# KiCad board poly_kb_molecule_7x5_wave_left.kicad_pcb (continued)
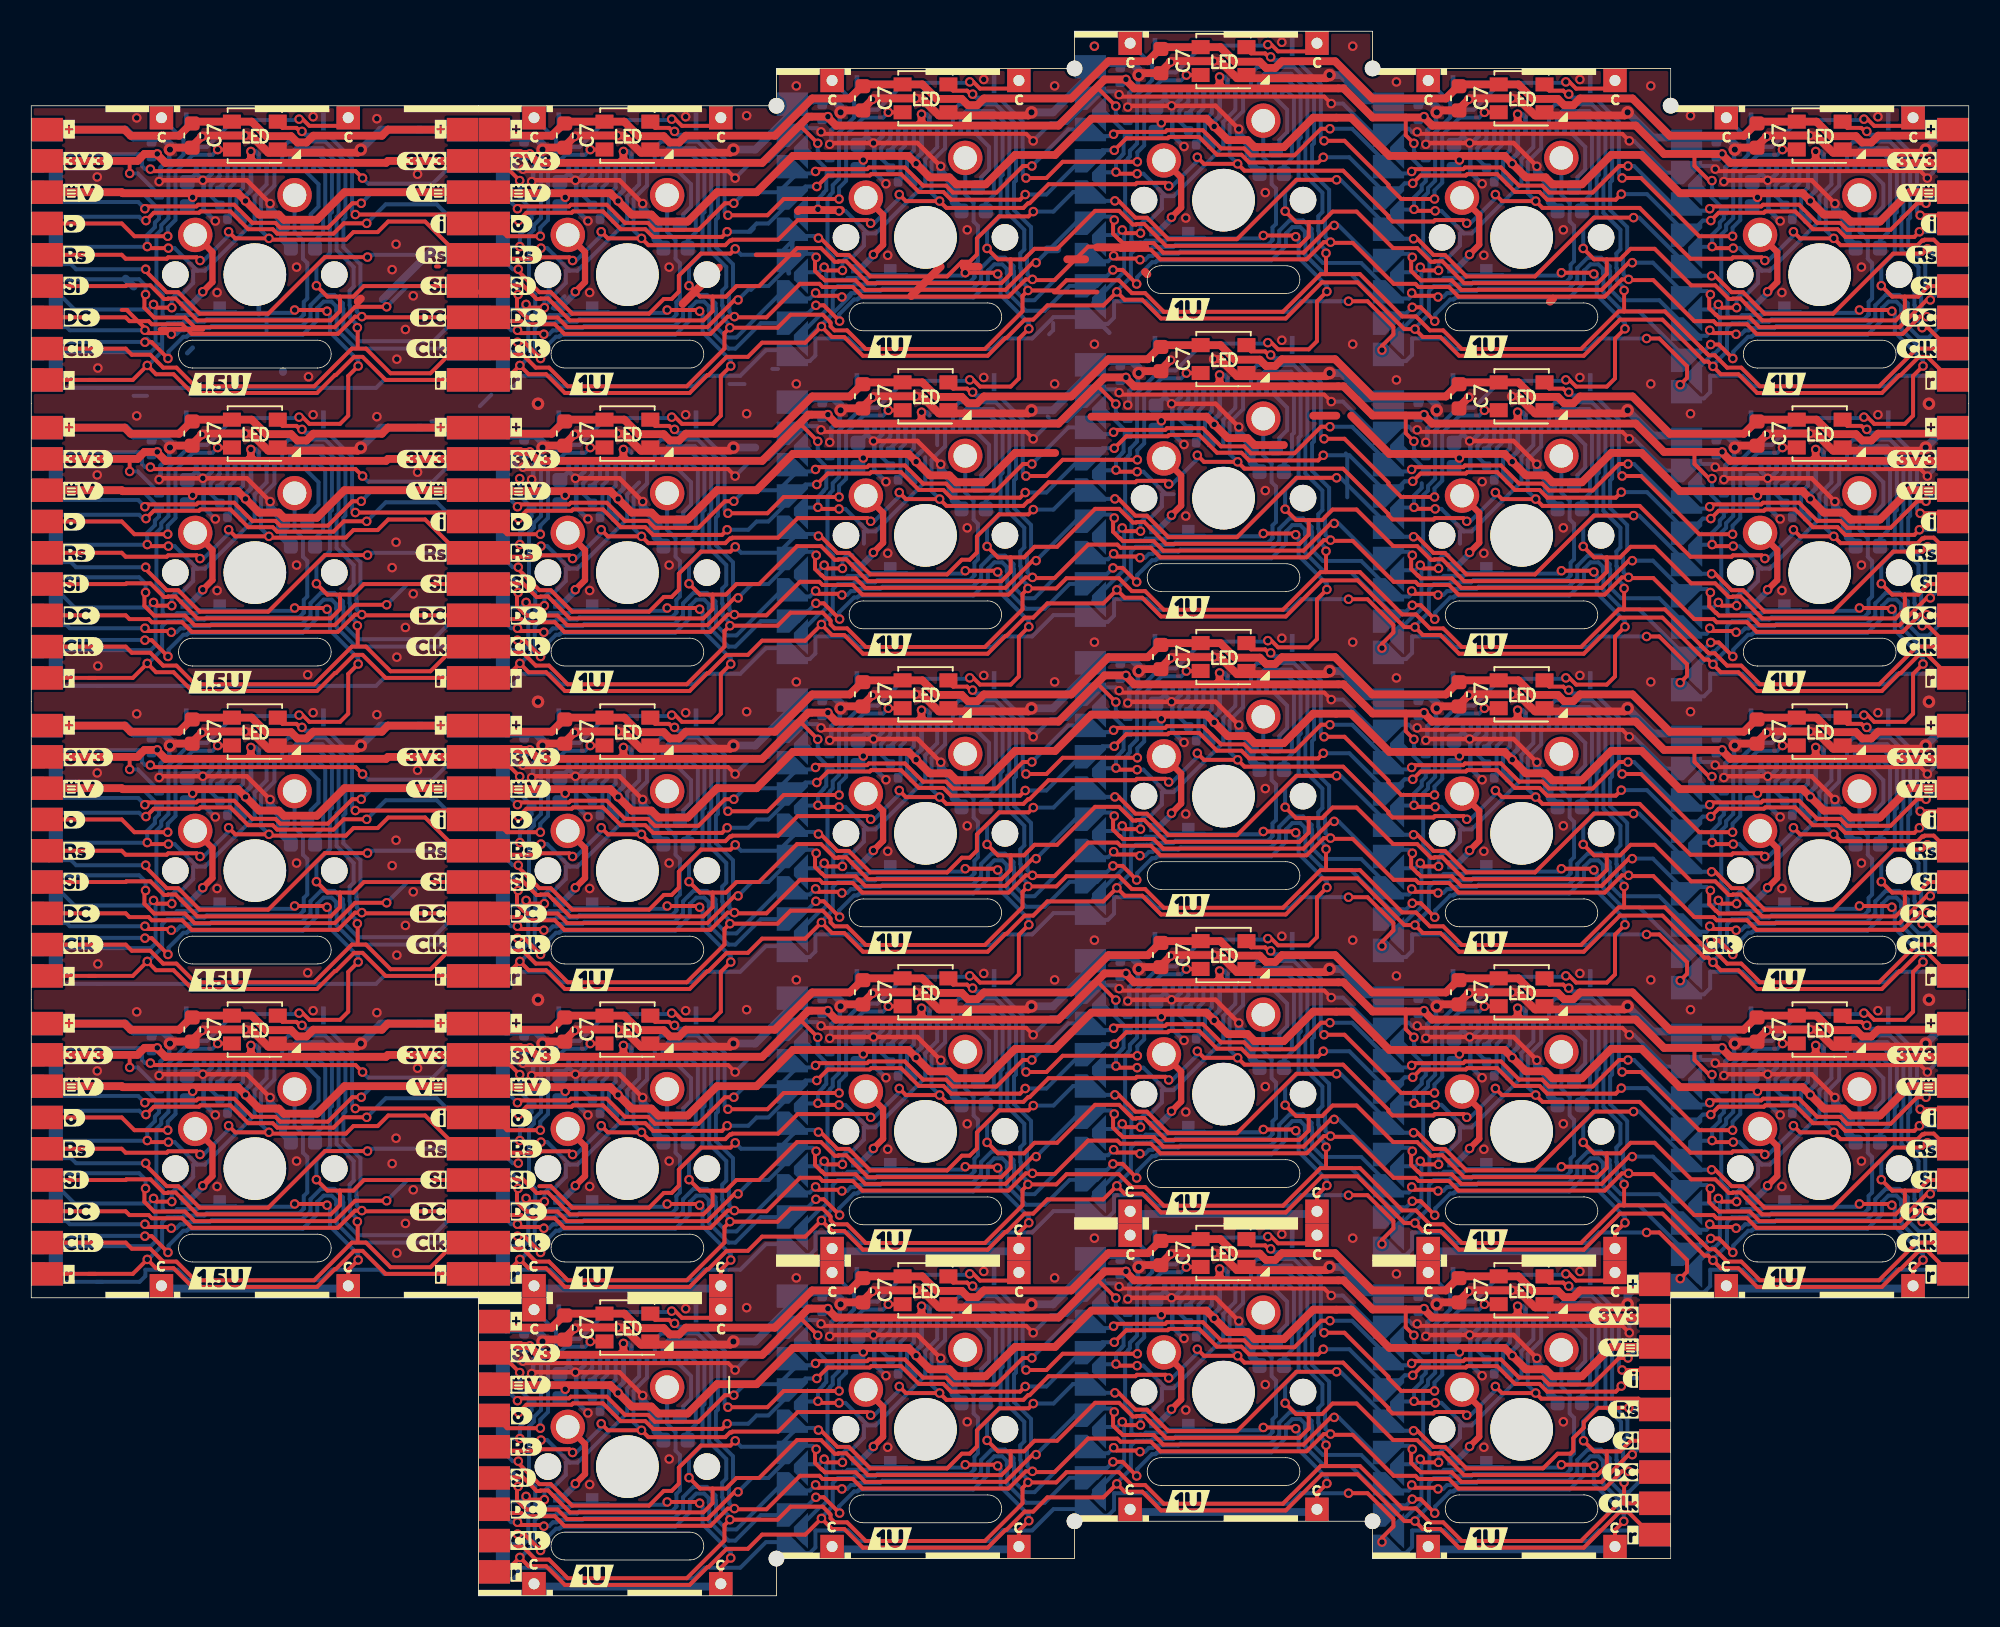
[diagram p0: board, top side]
## Routing (per net, layer and track width the routed paths; a pad name or vN(x,y) marks a point on that pad's centre or on a via; arc(x,y) is an arc through that point) (continued)
/Keyboard/sheet605ED2EB/SDIN: length 1002.7
  Top w0.254: J4#8.6 21.26,26.58 20.58,25.9 19.73,25.9 ; 43.54,64 43.54,63.07 42.95,62.48 34.42,62.48 33.38,63.53 33.38,63.54 33.03,63.88 32.55,63.88 32.52,63.84 32.3,63.84 31.42,64.72 29.89,64.72 29.84,64.67 ; 43.54,64 42.74,64 v1(42.04,64.7) ; 43.54,64 44.4,64 45.07,64.67 46.51,64.67 48.94,67.1 50.47,67.1 51.35,66.23 51.57,66.23 51.6,66.26 52.08,66.26 52.43,65.92 52.43,65.91 53.47,64.86 62,64.86 62.59,65.45 62.59,66.38 ; J4#7.6 21.26,45.63 20.58,44.95 19.73,44.95 ; 29.84,26.58 29.89,26.62 31.42,26.62 32.3,25.74 32.52,25.74 32.55,25.78 33.03,25.78 33.38,25.44 33.38,25.43 34.42,24.38 42.95,24.38 43.54,24.97 43.54,25.9 ; 100.69,9.23 99.89,9.23 99.19,9.93 ; 100.69,9.23 100.69,8.3 100.1,7.71 91.57,7.71 90.53,8.76 90.53,8.77 90.18,9.11 89.7,9.11 89.67,9.08 89.45,9.08 88.57,9.95 87.04,9.95 84.7,12.29 83.17,12.29 82.5,11.61 81.64,11.61 ; 100.69,9.23 101.55,9.23 102.22,9.91 J4#5.6 ; 81.64,11.61 80.84,11.61 v1(80.14,12.31) ; 81.64,11.61 81.64,10.68 81.05,10.09 72.52,10.09 71.48,11.14 71.48,11.15 71.13,11.49 70.65,11.49 70.62,11.46 70.4,11.46 69.52,12.33 67.99,12.33 65.56,9.91 64.12,9.91 63.45,9.23 62.59,9.23 ; 43.54,44.95 44.4,44.95 45.07,45.62 46.51,45.62 48.94,48.05 50.47,48.05 51.35,47.18 51.57,47.18 51.6,47.21 52.08,47.21 52.43,46.87 52.43,46.86 53.47,45.81 62,45.81 62.59,46.4 62.59,47.33 ; 43.54,44.95 43.54,44.02 42.95,43.43 34.42,43.43 33.38,44.48 33.38,44.49 33.03,44.83 32.55,44.83 32.52,44.79 32.3,44.79 31.42,45.67 29.89,45.67 29.84,45.62 ; 43.54,44.95 42.74,44.95 v1(42.04,45.65) ; J3#3.6 6.03,26.58 6.08,26.62 7.61,26.62 8.49,25.75 8.71,25.75 8.74,25.78 9.22,25.78 9.56,25.44 9.56,25.43 10.61,24.38 19.14,24.38 19.73,24.97 19.73,25.9 ; v1(18.22,26.6) 18.92,25.9 19.73,25.9 ; 119.74,44.95 118.94,44.95 v1(118.24,45.65) ; 119.74,44.95 120.6,44.95 121.27,45.62 122.55,45.62 ; 119.74,44.95 119.74,44.02 119.15,43.43 110.62,43.43 109.58,44.48 109.58,44.49 109.23,44.83 108.75,44.83 108.72,44.79 108.5,44.79 107.62,45.67 106.09,45.67 103.75,48.01 102.22,48.01 101.55,47.33 100.69,47.33 ; J3#8.6 6.03,45.63 6.08,45.67 7.61,45.67 8.49,44.8 8.71,44.8 8.74,44.83 9.22,44.83 9.56,44.49 9.56,44.48 10.61,43.43 19.14,43.43 19.73,44.02 19.73,44.95 ; 62.59,9.23 61.79,9.23 v1(61.09,9.93) ; 62.59,9.23 62.59,8.3 62,7.71 53.47,7.71 52.43,8.76 52.43,8.77 52.08,9.11 51.6,9.11 51.57,9.08 51.35,9.08 50.47,9.95 48.94,9.95 46.51,7.52 45.07,7.52 44.4,6.85 43.54,6.85 ; 81.64,68.76 82.5,68.76 83.17,69.44 84.7,69.44 87.04,67.1 88.57,67.1 89.45,66.23 89.67,66.23 89.7,66.26 90.18,66.26 90.53,65.92 90.53,65.91 91.57,64.86 100.1,64.86 100.69,65.45 100.69,66.38 ; 81.64,68.76 81.64,67.83 81.05,67.24 72.52,67.24 71.48,68.29 71.48,68.3 71.13,68.64 70.65,68.64 70.62,68.61 70.4,68.61 69.52,69.48 67.99,69.48 65.56,67.06 64.12,67.06 63.45,66.38 62.59,66.38 ; 81.64,68.76 80.84,68.76 v1(80.14,69.46) ; 119.74,83.05 118.94,83.05 v1(118.24,83.75) ; 119.74,83.05 120.6,83.05 121.27,83.72 122.55,83.72 ; 119.74,83.05 119.74,82.12 119.15,81.53 110.62,81.53 109.58,82.58 109.58,82.59 109.23,82.93 108.75,82.93 108.72,82.89 108.5,82.89 107.62,83.77 106.09,83.77 103.75,86.11 102.22,86.11 101.55,85.43 100.69,85.43 ; v1(61.09,67.08) 61.79,66.38 62.59,66.38 ; v1(18.22,83.75) 18.92,83.05 19.73,83.05 ; v1(61.09,48.03) 61.79,47.33 62.59,47.33 ; v1(118.24,64.7) 118.94,64 119.74,64 ; 81.64,30.66 81.64,29.73 81.05,29.14 72.52,29.14 71.48,30.19 71.48,30.2 71.13,30.54 70.65,30.54 70.62,30.51 70.4,30.51 69.52,31.38 67.99,31.38 65.56,28.96 64.12,28.96 63.45,28.28 62.59,28.28 ; 81.64,30.66 82.5,30.66 83.17,31.34 84.7,31.34 87.04,29 88.57,29 89.45,28.13 89.67,28.13 89.7,28.16 90.18,28.16 90.53,27.82 90.53,27.81 91.57,26.76 100.1,26.76 100.69,27.35 100.69,28.28 ; 81.64,30.66 80.84,30.66 v1(80.14,31.36) ; 119.74,64 120.6,64 121.27,64.67 122.55,64.67 ; 119.74,64 119.74,63.07 119.15,62.48 110.62,62.48 109.58,63.53 109.58,63.54 109.23,63.88 108.75,63.88 108.72,63.84 108.5,63.84 107.62,64.72 106.09,64.72 103.75,67.06 102.22,67.06 101.55,66.38 100.69,66.38 ; 62.59,47.33 63.45,47.33 64.12,48.01 65.56,48.01 67.99,50.43 69.52,50.43 70.4,49.56 70.62,49.56 70.65,49.59 71.13,49.59 71.48,49.25 71.48,49.24 72.52,48.19 81.05,48.19 81.64,48.78 81.64,49.71 ; 19.73,83.05 20.58,83.05 21.26,83.73 J4#9.6 ; 19.73,83.05 19.73,82.12 19.14,81.53 10.61,81.53 9.56,82.58 9.56,82.59 9.22,82.93 8.74,82.93 8.71,82.9 8.49,82.9 7.61,83.77 6.08,83.77 6.03,83.73 J3#5.6 ; 81.64,49.71 82.5,49.71 83.17,50.39 84.7,50.39 87.04,48.05 88.57,48.05 89.45,47.18 89.67,47.18 89.7,47.21 90.18,47.21 90.53,46.87 90.53,46.86 91.57,45.81 100.1,45.81 100.69,46.4 100.69,47.33 ; 81.64,49.71 80.84,49.71 v1(80.14,50.41) ; 81.64,87.81 81.64,86.88 81.05,86.29 72.52,86.29 71.48,87.34 71.48,87.35 71.13,87.69 70.65,87.69 70.62,87.66 70.4,87.66 69.52,88.53 67.99,88.53 65.56,86.11 64.12,86.11 63.45,85.43 62.59,85.43 ; 81.64,87.81 80.84,87.81 v1(80.14,88.51) ; 81.64,87.81 82.5,87.81 83.17,88.49 84.7,88.49 87.04,86.15 88.57,86.15 89.45,85.28 89.67,85.28 89.7,85.31 90.18,85.31 90.53,84.97 90.53,84.96 91.57,83.91 100.1,83.91 100.69,84.5 100.69,85.43 ; 62.59,85.43 61.79,85.43 v1(61.09,86.13) ; 62.59,85.43 62.59,84.5 62,83.91 53.47,83.91 52.43,84.96 52.43,84.97 52.08,85.31 51.6,85.31 51.57,85.28 51.35,85.28 50.47,86.15 48.94,86.15 46.51,83.72 45.07,83.72 44.4,83.05 43.54,83.05 ; v1(99.19,86.13) 99.89,85.43 100.69,85.43 ; 43.54,6.85 42.74,6.85 v1(42.04,7.55) ; 43.54,6.85 43.54,5.92 42.95,5.33 34.42,5.33 33.38,6.38 33.38,6.39 33.03,6.73 32.55,6.73 32.52,6.69 32.3,6.69 31.42,7.57 29.89,7.57 29.84,7.52 ; 119.74,25.9 118.94,25.9 v1(118.24,26.6) ; 119.74,25.9 120.6,25.9 121.27,26.58 122.55,26.58 ; 119.74,25.9 119.74,24.97 119.15,24.38 110.62,24.38 109.58,25.43 109.58,25.44 109.23,25.78 108.75,25.78 108.72,25.74 108.5,25.74 107.62,26.62 106.09,26.62 103.75,28.96 102.22,28.96 101.55,28.28 100.69,28.28 ; 19.73,44.95 18.92,44.95 v1(18.22,45.65) ; 100.69,47.33 99.89,47.33 v1(99.19,48.03) ; 62.59,28.28 61.79,28.28 v1(61.09,28.98) ; 62.59,28.28 62.59,27.35 62,26.76 53.47,26.76 52.43,27.81 52.43,27.82 52.08,28.16 51.6,28.16 51.57,28.13 51.35,28.13 50.47,29 48.94,29 46.51,26.58 45.07,26.58 44.4,25.9 43.54,25.9 ; 19.73,64 18.92,64 v1(18.22,64.7) ; 19.73,64 20.58,64 21.26,64.68 J4#4.6 ; 19.73,64 19.73,63.07 19.14,62.48 10.61,62.48 9.56,63.53 9.56,63.54 9.22,63.88 8.74,63.88 8.71,63.85 8.49,63.85 7.61,64.72 6.08,64.72 6.03,64.68 J3#9.6 ; 100.69,66.38 99.89,66.38 v1(99.19,67.08) ; 100.69,28.28 99.89,28.28 v1(99.19,28.98) ; 43.54,25.9 42.74,25.9 v1(42.04,26.6) ; v1(42.04,83.75) 42.74,83.05 43.54,83.05 ; 29.84,83.72 29.89,83.77 31.42,83.77 32.3,82.89 32.52,82.89 32.55,82.93 33.03,82.93 33.38,82.59 33.38,82.58 34.42,81.53 42.95,81.53 43.54,82.12 43.54,83.05
  Top w0.292: 30.02,83.34 27.27,83.34
  Top w0.5: 41.62,82.58 43.94,84.9
  Bottom w0.254: J1#10.14 78.95,58.58 79.13,58.77 80.34,58.77 81.13,57.98 81.13,55.11 81,54.98 81,52.5 80.14,51.64 v1(80.14,50.41) ; J1#9.14 98,56.2 98.18,56.39 99.39,56.39 100.18,55.6 100.18,52.73 100.05,52.6 100.05,50.12 99.19,49.26 v1(99.19,48.03) ; J1#2.14 98,18.1 98.18,18.29 99.39,18.29 100.18,17.5 100.18,14.63 100.05,14.5 100.05,12.02 99.19,11.16 99.19,9.93 ; v1(80.14,12.31) 80.14,13.54 81,14.4 81,16.88 81.13,17.01 81.13,19.88 80.34,20.67 79.13,20.67 78.95,20.48 J1#25.14 ; J1#15.14 17.04,53.82 17.22,54 18.43,54 19.21,53.22 19.21,50.35 19.08,50.22 19.08,47.74 18.22,46.88 v1(18.22,45.65) ; v1(42.04,45.65) 42.04,46.88 42.9,47.74 42.9,50.22 43.03,50.35 43.03,53.22 42.24,54 41.03,54 40.85,53.82 40.85,53.34 ; J1#6.14 59.9,56.2 60.08,56.39 61.29,56.39 62.08,55.6 62.08,52.73 61.95,52.6 61.95,50.12 61.09,49.26 v1(61.09,48.03) ; J1#26.14 117.05,34.77 117.23,34.95 118.44,34.95 119.23,34.17 119.23,31.3 119.1,31.17 119.1,28.69 118.24,27.83 v1(118.24,26.6) ; v1(42.04,7.55) 42.04,8.78 42.9,9.64 42.9,12.12 43.03,12.25 43.03,15.12 42.24,15.9 41.03,15.9 40.85,15.72 40.85,15.24 ; J1#17.14 59.9,94.3 60.08,94.49 61.29,94.49 62.08,93.7 62.08,90.83 61.95,90.7 61.95,88.22 61.09,87.36 v1(61.09,86.13) ; v1(42.04,26.6) 42.04,27.83 42.9,28.69 42.9,31.17 43.03,31.3 43.03,34.17 42.24,34.95 41.03,34.95 40.85,34.77 40.85,34.29 ; v1(18.22,26.6) 18.22,27.83 19.08,28.69 19.08,31.17 19.21,31.3 19.21,34.17 18.43,34.95 17.22,34.95 17.04,34.77 J1#16.14 ; J1#23.14 117.05,72.87 117.23,73.05 118.44,73.05 119.23,72.27 119.23,69.4 119.1,69.27 119.1,66.79 118.24,65.93 v1(118.24,64.7) ; J1#21.14 78.95,39.53 79.13,39.72 80.34,39.72 81.13,38.93 81.13,36.06 81,35.93 81,33.45 80.14,32.59 v1(80.14,31.36) ; v1(80.14,88.51) 80.14,89.74 81,90.6 81,93.08 81.13,93.21 81.13,96.08 80.34,96.87 79.13,96.87 78.95,96.68 J1#5.14 ; v1(61.09,28.98) 61.09,30.21 61.95,31.07 61.95,33.55 62.08,33.68 62.08,36.55 61.29,37.34 60.08,37.34 59.9,37.15 J1#13.14 ; v1(99.19,28.98) 99.19,30.21 100.05,31.07 100.05,33.55 100.18,33.68 100.18,36.55 99.39,37.34 98.18,37.34 98,37.15 J1#18.14 ; J1#24.14 17.04,72.87 17.22,73.05 18.43,73.05 19.21,72.27 19.21,69.4 19.08,69.27 19.08,66.79 18.22,65.93 v1(18.22,64.7) ; J1#28.14 17.04,91.92 17.22,92.1 18.43,92.1 19.21,91.32 19.21,88.45 19.08,88.32 19.08,85.84 18.22,84.98 v1(18.22,83.75) ; v1(99.19,86.13) 99.19,87.36 100.05,88.22 100.05,90.7 100.18,90.83 100.18,93.7 99.39,94.49 98.18,94.49 98,94.3 J1#22.14 ; J1#4.14 78.95,77.63 79.13,77.82 80.34,77.82 81.13,77.03 81.13,74.16 81,74.03 81,71.55 80.14,70.69 v1(80.14,69.46) ; 40.85,91.44 40.85,91.92 41.03,92.1 42.24,92.1 43.03,91.32 43.03,88.45 42.9,88.32 42.9,85.84 42.04,84.98 v1(42.04,83.75) ; v1(42.04,64.7) 42.04,65.93 42.9,66.79 42.9,69.27 43.03,69.4 43.03,72.27 42.24,73.05 41.03,73.05 40.85,72.87 40.85,72.39 ; v1(118.24,83.75) 118.24,84.98 119.1,85.84 119.1,88.32 119.23,88.45 119.23,91.32 118.44,92.1 117.23,92.1 117.05,91.92 J1#7.14 ; v1(99.19,67.08) 99.19,68.31 100.05,69.17 100.05,71.65 100.18,71.78 100.18,74.65 99.39,75.44 98.18,75.44 98,75.25 J1#3.14 ; v1(118.24,45.65) 118.24,46.88 119.1,47.74 119.1,50.22 119.23,50.35 119.23,53.22 118.44,54 117.23,54 117.05,53.82 J1#19.14 ; J1#27.14 59.9,75.25 60.08,75.44 61.29,75.44 62.08,74.65 62.08,71.78 61.95,71.65 61.95,69.17 61.09,68.31 v1(61.09,67.08) ; v1(61.09,9.93) 61.09,11.16 61.95,12.02 61.95,14.5 62.08,14.63 62.08,17.5 61.29,18.29 60.08,18.29 59.9,18.1 J1#12.14
  vias: v1(99.21,9.91)
CS1: length 115.8
  Top w0.254: v1(7.61,53.1) 7.74,52.97 20.73,52.97 v1(21.17,52.53) ; v1(21.17,90.63) 20.73,91.07 7.74,91.07 v1(7.61,91.2) ; v1(7.61,34.05) 7.74,33.92 20.73,33.92 v1(21.17,33.48) ; v1(7.61,72.15) 7.74,72.02 20.73,72.02 v1(21.17,71.58)
  Bottom w0.254: v1(21.17,33.48) 21.52,33.13 25.66,33.13 27.11,34.58 J6#4.2 ; J6#2.2 27.11,91.73 25.66,90.28 21.52,90.28 v1(21.17,90.63) ; J6#5.2 27.11,72.68 25.66,71.23 21.52,71.23 v1(21.17,71.58) ; v1(7.61,34.05) 7.28,34.05 7.08,34.25 7.08,34.82 6.89,35.01 0.95,35.01 J5#2.2 ; J6.2 27.11,53.63 25.66,52.18 21.52,52.18 v1(21.17,52.53) ; v1(7.61,91.2) 7.28,91.2 7.08,91.4 7.08,91.97 6.89,92.16 0.95,92.16 J5#15.2 ; J5#5.2 0.95,73.11 6.89,73.11 7.08,72.92 7.08,72.35 7.28,72.15 v1(7.61,72.15) ; J5#24.2 0.95,54.06 6.89,54.06 7.08,53.87 7.08,53.3 7.28,53.1 v1(7.61,53.1) ; 26.69,72.36 26.6,72.36
CS2: length 119.8
  Top w0.254: v1(7.26,31.52) 7.41,31.67 10.55,31.67 10.66,31.78 12.97,31.78 14.13,30.61 15.6,30.61 15.91,30.31 18.96,30.31 20.52,31.87 v1(21.09,31.87) ; v1(7.26,69.62) 7.41,69.77 10.55,69.77 10.66,69.88 12.97,69.88 14.13,68.71 15.6,68.71 15.91,68.41 18.96,68.41 20.52,69.97 v1(21.09,69.97) ; v1(21.09,89.02) 20.52,89.02 18.96,87.46 15.91,87.46 15.6,87.76 14.13,87.76 12.97,88.93 10.66,88.93 10.55,88.82 7.41,88.82 v1(7.26,88.67) ; v1(21.09,50.92) 20.52,50.92 18.96,49.36 15.91,49.36 15.6,49.66 14.13,49.66 12.97,50.83 10.66,50.83 10.55,50.72 7.41,50.72 v1(7.26,50.57)
  Bottom w0.254: v1(7.26,69.62) 6.83,70.05 1.14,70.05 J5#5.3 ; 24.92,32.58 24.17,32.58 ; J6#4.3 21.79,32.58 v1(21.09,31.87) ; J5#24.3 1.14,51 6.83,51 v1(7.26,50.57) ; J5#15.3 1.14,89.1 6.83,89.1 v1(7.26,88.67) ; 4.38,51 4.45,51 ; 24.92,70.68 24.17,70.68 ; v1(21.09,69.97) 21.79,70.68 J6#5.3 ; 24.92,89.73 24.17,89.73 ; J6.3 21.79,51.63 v1(21.09,50.92) ; v1(7.26,31.52) 6.83,31.95 1.14,31.95 J5#2.3 ; J6#2.3 21.79,89.73 v1(21.09,89.02) ; 24.92,51.63 24.17,51.63 ; 4.38,70.05 4.45,70.05 ; 4.38,89.1 4.45,89.1 ; 4.38,31.95 4.45,31.95
  vias: v1(50.12,91.05) v1(50.12,72) v1(50.12,52.95) v1(50.12,33.9) v1(50.12,14.85) v1(63.95,91.4) v1(63.95,72.35) v1(63.95,53.3) v1(63.95,34.25) v1(63.95,15.2) v1(69.17,93.43) v1(69.17,74.38) v1(69.17,55.33) v1(69.17,36.28) v1(69.17,17.23) v1(83,93.78) v1(83,74.73) v1(83,55.68) v1(83,36.63) v1(83,17.58) v1(88.22,91.05) v1(88.22,72) v1(88.22,52.95) v1(88.22,33.9) v1(88.22,14.85) v1(102.05,91.4) v1(102.05,72.35) v1(102.05,53.3) v1(102.05,34.25) v1(102.05,15.2)
CS3: length 1124.7
  Top w0.254: v1(50.2,51.99) 50.91,52.69 53.58,52.69 53.67,52.78 55.59,52.78 56.73,51.64 58.29,51.64 58.79,51.15 63.19,51.15 v1(63.52,51.48) ; v1(44.47,11) 44.14,10.67 39.74,10.67 39.24,11.16 37.68,11.16 36.54,12.3 34.62,12.3 34.53,12.21 31.64,12.21 v1(31.14,11.71) ; 50.12,91.05 50.27,91.2 53.42,91.2 53.53,91.31 55.83,91.31 56.99,90.15 58.46,90.15 58.91,89.7 61.68,89.7 63.38,91.4 63.95,91.4 ; v1(121.1,31.87) 120.53,31.87 118.83,30.17 116.06,30.17 115.61,30.61 114.14,30.61 112.98,31.78 110.68,31.78 110.57,31.67 107.42,31.67 v1(107.27,31.52) ; v1(107.27,69.62) 107.42,69.77 110.57,69.77 110.68,69.88 112.98,69.88 114.14,68.71 115.61,68.71 116.06,68.27 118.83,68.27 120.53,69.97 v1(121.1,69.97) ; v1(44.9,50.92) 44.33,50.92 42.63,49.22 39.86,49.22 39.41,49.66 37.94,49.66 36.78,50.83 34.48,50.83 34.37,50.72 31.22,50.72 v1(31.07,50.57) ; 69.17,55.33 69.32,55.48 72.47,55.48 72.58,55.59 74.88,55.59 76.04,54.43 77.51,54.43 77.96,53.98 80.73,53.98 82.43,55.68 83,55.68 ; v1(82.57,15.76) 82.24,15.43 77.84,15.43 77.34,15.92 75.78,15.92 74.64,17.06 72.72,17.06 72.63,16.97 69.98,16.97 v1(69.22,16.21) ; v1(69.22,92.41) 69.98,93.17 72.63,93.17 72.72,93.26 74.64,93.26 75.78,92.12 77.34,92.12 77.84,91.63 82.24,91.63 v1(82.57,91.96) ; v1(69.22,35.26) 69.98,36.02 72.63,36.02 72.72,36.11 74.64,36.11 75.78,34.97 77.34,34.97 77.84,34.48 82.24,34.48 v1(82.57,34.81) ; v1(50.2,90.09) 50.91,90.79 53.58,90.79 53.67,90.88 55.59,90.88 56.73,89.74 58.29,89.74 58.79,89.25 63.19,89.25 v1(63.52,89.58) ; v1(120.67,87.2) 120.34,86.87 115.94,86.87 115.44,87.36 113.88,87.36 112.74,88.5 110.82,88.5 110.73,88.41 107.84,88.41 v1(107.34,87.91) ; v1(101.62,13.4) 101.27,13.05 96.89,13.05 96.39,13.54 94.83,13.54 93.69,14.68 91.77,14.68 91.68,14.59 88.79,14.59 v1(88.29,14.09) ; v1(121.1,50.92) 120.53,50.92 118.83,49.22 116.06,49.22 115.61,49.66 114.14,49.66 112.98,50.83 110.68,50.83 110.57,50.72 107.42,50.72 v1(107.27,50.57) ; 88.22,52.95 88.37,53.1 91.52,53.1 91.63,53.21 93.93,53.21 95.09,52.05 96.56,52.05 97.01,51.6 99.78,51.6 101.48,53.3 102.05,53.3 ; v1(107.34,49.81) 107.84,50.31 110.73,50.31 110.82,50.4 112.74,50.4 113.88,49.26 115.44,49.26 115.94,48.77 120.34,48.77 v1(120.67,49.1) ; 83,36.63 82.43,36.63 80.73,34.93 77.96,34.93 77.51,35.38 76.04,35.38 74.88,36.54 72.58,36.54 72.47,36.43 69.32,36.43 69.17,36.28 ; v1(7.33,49.81) 7.83,50.31 10.72,50.31 10.81,50.4 12.73,50.4 13.87,49.26 15.43,49.26 15.72,48.97 19.31,48.97 19.97,49.64 v1(21.44,49.64) ; 63.95,34.25 63.38,34.25 61.68,32.55 58.91,32.55 58.46,33 56.99,33 55.83,34.16 53.53,34.16 53.42,34.05 50.27,34.05 50.12,33.9 ; v1(21.44,87.74) 19.97,87.74 19.31,87.07 15.72,87.07 15.43,87.36 13.87,87.36 12.73,88.5 10.81,88.5 10.72,88.41 7.83,88.41 v1(7.33,87.91) ; v1(82.57,53.86) 82.24,53.53 77.84,53.53 77.34,54.02 75.78,54.02 74.64,55.16 72.72,55.16 72.63,55.07 69.98,55.07 v1(69.22,54.31) ; 63.95,53.3 63.38,53.3 61.68,51.6 58.91,51.6 58.46,52.05 56.99,52.05 55.83,53.21 53.53,53.21 53.42,53.1 50.27,53.1 50.12,52.95 ; v1(88.29,33.14) 88.79,33.64 91.68,33.64 91.77,33.73 93.69,33.73 94.83,32.59 96.39,32.59 96.89,32.1 101.27,32.1 v1(101.62,32.45) ; v1(7.33,68.86) 7.83,69.36 10.72,69.36 10.81,69.45 12.73,69.45 13.87,68.31 15.43,68.31 15.72,68.02 19.31,68.02 19.97,68.69 v1(21.44,68.69) ; v1(31.07,69.62) 31.22,69.77 34.37,69.77 34.48,69.88 36.78,69.88 37.94,68.71 39.41,68.71 39.86,68.27 42.63,68.27 44.33,69.97 v1(44.9,69.97) ; v1(120.67,68.15) 120.34,67.82 115.94,67.82 115.44,68.31 113.88,68.31 112.74,69.45 110.82,69.45 110.73,69.36 107.84,69.36 v1(107.34,68.86) ; v1(31.07,12.47) 31.22,12.62 34.37,12.62 34.48,12.73 36.78,12.73 37.94,11.56 39.41,11.56 39.86,11.12 42.63,11.12 44.33,12.82 v1(44.9,12.82) ; v1(101.62,70.55) 101.27,70.2 96.89,70.2 96.39,70.69 94.83,70.69 93.69,71.83 91.77,71.83 91.68,71.74 88.79,71.74 v1(88.29,71.24) ; v1(44.47,68.15) 44.14,67.82 39.74,67.82 39.24,68.31 37.68,68.31 36.54,69.45 34.62,69.45 34.53,69.36 31.64,69.36 v1(31.14,68.86) ; 83,74.73 82.43,74.73 80.73,73.03 77.96,73.03 77.51,73.48 76.04,73.48 74.88,74.64 72.58,74.64 72.47,74.53 69.32,74.53 69.17,74.38 ; v1(21.44,30.59) 19.97,30.59 19.31,29.92 15.72,29.92 15.43,30.21 13.87,30.21 12.73,31.35 10.81,31.35 10.72,31.26 7.83,31.26 v1(7.33,30.76) ; v1(50.2,71.04) 50.91,71.74 53.58,71.74 53.67,71.83 55.59,71.83 56.73,70.69 58.29,70.69 58.79,70.2 63.19,70.2 v1(63.52,70.53) ; v1(44.47,30.05) 44.14,29.72 39.74,29.72 39.24,30.21 37.68,30.21 36.54,31.35 34.62,31.35 34.53,31.26 31.64,31.26 v1(31.14,30.76) ; 83,17.58 82.43,17.58 80.73,15.88 77.96,15.88 77.51,16.33 76.04,16.33 74.88,17.49 72.58,17.49 72.47,17.38 69.32,17.38 69.17,17.23 ; v1(101.62,89.6) 101.27,89.25 96.89,89.25 96.39,89.74 94.83,89.74 93.69,90.88 91.77,90.88 91.68,90.79 88.79,90.79 v1(88.29,90.29) ; v1(69.22,73.36) 69.98,74.12 72.63,74.12 72.72,74.21 74.64,74.21 75.78,73.07 77.34,73.07 77.84,72.58 82.24,72.58 v1(82.57,72.91) ; 50.12,72 50.27,72.15 53.42,72.15 53.53,72.26 55.83,72.26 56.99,71.1 58.46,71.1 58.91,70.65 61.68,70.65 63.38,72.35 63.95,72.35 ; 88.22,33.9 88.37,34.05 91.52,34.05 91.63,34.16 93.93,34.16 95.09,33 96.56,33 97.01,32.55 99.78,32.55 101.48,34.25 102.05,34.25 ; v1(88.29,52.19) 88.79,52.69 91.68,52.69 91.77,52.78 93.69,52.78 94.83,51.64 96.39,51.64 96.89,51.15 101.27,51.15 v1(101.62,51.5) ; v1(31.07,88.67) 31.22,88.82 34.37,88.82 34.48,88.93 36.78,88.93 37.94,87.76 39.41,87.76 39.86,87.32 42.63,87.32 44.33,89.02 v1(44.9,89.02) ; v1(121.1,89.02) 120.53,89.02 118.83,87.32 116.06,87.32 115.61,87.76 114.14,87.76 112.98,88.93 110.68,88.93 110.57,88.82 107.42,88.82 v1(107.27,88.67) ; 102.05,91.4 101.48,91.4 99.78,89.7 97.01,89.7 96.56,90.15 95.09,90.15 93.93,91.31 91.63,91.31 91.52,91.2 88.37,91.2 88.22,91.05 ; v1(44.9,31.87) 44.33,31.87 42.63,30.17 39.86,30.17 39.41,30.61 37.94,30.61 36.78,31.78 34.48,31.78 34.37,31.67 31.22,31.67 v1(31.07,31.52) ; v1(44.47,49.1) 44.14,48.77 39.74,48.77 39.24,49.26 37.68,49.26 36.54,50.4 34.62,50.4 34.53,50.31 31.64,50.31 v1(31.14,49.81) ; v1(44.47,87.2) 44.14,86.87 39.74,86.87 39.24,87.36 37.68,87.36 36.54,88.5 34.62,88.5 34.53,88.41 31.64,88.41 v1(31.14,87.91) ; 88.22,14.85 88.37,15 91.52,15 91.63,15.11 93.93,15.11 95.09,13.95 96.56,13.95 97.01,13.5 99.78,13.5 101.48,15.2 102.05,15.2 ; 69.17,93.43 69.32,93.58 72.47,93.58 72.58,93.69 74.88,93.69 76.04,92.53 77.51,92.53 77.96,92.08 80.73,92.08 82.43,93.78 83,93.78 ; v1(50.2,32.94) 50.91,33.64 53.58,33.64 53.67,33.73 55.59,33.73 56.73,32.59 58.29,32.59 58.79,32.1 63.19,32.1 v1(63.52,32.43) ; v1(50.2,13.89) 50.91,14.59 53.58,14.59 53.67,14.68 55.59,14.68 56.73,13.54 58.29,13.54 58.79,13.05 63.19,13.05 v1(63.52,13.38) ; 63.95,15.2 63.38,15.2 61.68,13.5 58.91,13.5 58.46,13.95 56.99,13.95 55.83,15.11 53.53,15.11 53.42,15 50.27,15 50.12,14.85 ; 88.22,72 88.37,72.15 91.52,72.15 91.63,72.26 93.93,72.26 95.09,71.1 96.56,71.1 97.01,70.65 99.78,70.65 101.48,72.35 102.05,72.35 ; v1(107.34,30.76) 107.84,31.26 110.73,31.26 110.82,31.35 112.74,31.35 113.88,30.21 115.44,30.21 115.94,29.72 120.34,29.72 v1(120.67,30.05)
  Bottom w0.25: v1(101.62,13.4) 102.13,13.91 J6#8.4
  Bottom w0.254: 122.55,51.62 121.81,51.62 v1(121.1,50.92) ; 67.88,74.69 66.29,74.69 63.95,72.35 ; 88.22,91.05 88.1,90.93 87.27,90.93 84.42,93.78 83,93.78 ; 69.17,55.33 69.05,55.21 68.22,55.21 67.79,55.64 ; 67.88,17.54 66.29,17.54 63.95,15.2 ; v1(101.62,51.5) 103.27,51.5 105.89,48.88 106.83,49.81 v1(107.34,49.81) ; v1(88.29,52.19) 87.78,52.19 86.84,51.26 84.24,53.86 v1(82.57,53.86) ; J5#18.4 29.52,11.95 30.71,11.95 30.95,11.71 v1(31.14,11.71) ; v1(107.34,30.76) 106.83,30.76 105.89,29.83 103.27,32.45 v1(101.62,32.45) ; v1(69.22,16.21) 68.46,16.21 67.79,15.54 67.04,15.54 64.88,13.38 v1(63.52,13.38) ; v1(63.52,89.58) 64.88,89.58 67.04,91.74 67.79,91.74 68.46,92.41 v1(69.22,92.41) ; 30.57,31.95 30.64,31.95 v1(31.07,31.52) ; 30.57,70.05 30.64,70.05 v1(31.07,69.62) ; v1(88.29,90.29) 87.78,90.29 86.84,89.36 84.24,91.96 v1(82.57,91.96) ; v1(101.62,70.55) 103.27,70.55 105.89,67.92 106.83,68.86 v1(107.34,68.86) ; v1(88.29,14.09) 87.78,14.09 86.84,13.16 84.24,15.76 v1(82.57,15.76) ; 50.12,52.95 50,52.83 49.17,52.83 48.74,53.26 48.74,52.61 47.76,51.62 45.61,51.62 v1(44.9,50.92) ; v1(44.47,87.2) 45.83,87.2 46.36,87.72 47.11,87.72 49.47,90.09 v1(50.2,90.09) ; v1(120.67,87.2) 122.03,87.2 122.55,87.72 ; v1(31.14,49.81) 30.95,49.81 30.71,50.05 29.52,50.05 J5#12.4 ; J6#4.4 27.28,30.85 26.86,30.85 25.91,31.8 22.65,31.8 v1(21.44,30.59) ; v1(44.9,31.87) 45.61,32.58 47.76,32.58 48.74,33.56 48.74,34.21 49.17,33.78 50,33.78 50.12,33.9 ; v1(63.52,70.53) 64.88,70.53 67.04,72.69 67.79,72.69 68.46,73.36 v1(69.22,73.36) ; v1(63.52,32.43) 64.88,32.43 67.04,34.59 67.79,34.59 68.46,35.26 v1(69.22,35.26) ; J5#17.4 29.52,69.1 30.71,69.1 30.95,68.86 v1(31.14,68.86) ; 122.55,68.67 122.03,68.15 v1(120.67,68.15) ; 67.88,93.74 66.29,93.74 63.95,91.4 ; v1(31.07,12.47) 30.64,12.9 30.57,12.9 ; 83,74.73 84.42,74.73 87.27,71.88 88.1,71.88 88.22,72 ; v1(120.67,49.1) 122.03,49.1 122.55,49.62 ; v1(50.2,13.89) 49.47,13.89 47.11,11.52 46.36,11.52 45.83,11 v1(44.47,11) ; v1(44.47,49.1) 45.83,49.1 46.36,49.62 47.11,49.62 49.47,51.99 v1(50.2,51.99) ; v1(44.47,30.05) 45.83,30.05 46.36,30.58 47.11,30.58 49.47,32.94 v1(50.2,32.94) ; 102.05,34.25 102.44,34.25 104.86,31.83 105.89,31.83 106.32,31.4 107.15,31.4 v1(107.27,31.52) ; 50.12,14.85 50,14.73 49.17,14.73 48.74,15.16 48.74,14.51 47.76,13.52 45.61,13.52 v1(44.9,12.82) ; J5#24.4 0.95,50.05 6.89,50.05 7.14,49.81 v1(7.33,49.81) ; v1(44.47,68.15) 45.83,68.15 46.36,68.67 47.11,68.67 49.47,71.04 v1(50.2,71.04) ; 122.55,32.58 121.81,32.58 v1(121.1,31.87) ; 69.17,74.38 69.05,74.26 68.22,74.26 67.79,74.69 ; 67.79,36.59 68.22,36.16 69.05,36.16 69.17,36.28 ; 67.88,55.64 66.29,55.64 63.95,53.3 ; 122.55,70.67 121.81,70.67 v1(121.1,69.97) ; v1(21.44,87.74) 22.65,88.95 25.91,88.95 26.86,88 27.28,88 J6#2.4 ; v1(82.57,34.81) 84.24,34.81 86.84,32.21 87.78,33.14 v1(88.29,33.14) ; 63.95,34.25 66.29,36.59 67.88,36.59 ; v1(31.07,50.57) 30.64,51 30.57,51 ; v1(31.07,88.67) 30.64,89.1 30.57,89.1 ; v1(107.27,50.57) 107.15,50.45 106.32,50.45 105.89,50.88 104.86,50.88 102.44,53.3 102.05,53.3 ; v1(101.62,89.6) 103.27,89.6 105.89,86.97 106.83,87.91 v1(107.34,87.91) ; 102.05,15.2 102.76,15.91 103.76,15.91 ; J5#15.4 0.95,88.15 6.89,88.15 7.14,87.91 v1(7.33,87.91) ; 122.55,30.58 122.03,30.05 v1(120.67,30.05) ; J5#5.4 0.95,69.1 6.89,69.1 7.14,68.86 v1(7.33,68.86) ; J6#5.4 27.28,68.95 26.86,68.95 25.91,69.9 22.65,69.9 v1(21.44,68.69) ; 88.22,52.95 88.1,52.83 87.27,52.83 84.42,55.68 83,55.68 ; v1(7.33,30.76) 7.14,30.76 6.89,31 0.95,31 J5#2.4 ; 88.22,14.85 88.1,14.73 87.27,14.73 84.42,17.58 83,17.58 ; v1(107.27,69.62) 107.15,69.5 106.32,69.5 105.89,69.92 104.86,69.92 102.44,72.35 102.05,72.35 ; v1(21.44,49.64) 22.65,50.85 25.91,50.85 26.86,49.9 27.28,49.9 J6.4 ; 67.79,93.74 68.22,93.31 69.05,93.31 69.17,93.43 ; J5#22.4 29.52,31 30.71,31 30.95,30.76 v1(31.14,30.76) ; 102.05,91.4 102.44,91.4 104.86,88.97 105.89,88.97 106.32,88.55 107.15,88.55 v1(107.27,88.67) ; 50.12,91.05 50,90.93 49.17,90.93 48.74,91.36 48.74,90.71 47.76,89.72 45.61,89.72 v1(44.9,89.02) ; v1(63.52,51.48) 64.88,51.48 67.04,53.64 67.79,53.64 68.46,54.31 v1(69.22,54.31) ; v1(44.9,69.97) 45.61,70.67 47.76,70.67 48.74,71.66 48.74,72.31 49.17,71.88 50,71.88 50.12,72 ; 88.22,33.9 88.1,33.78 87.27,33.78 84.42,36.63 83,36.63 ; v1(31.14,87.91) 30.95,87.91 30.71,88.15 29.52,88.15 J5.4 ; 122.55,89.72 121.81,89.72 v1(121.1,89.02) ; v1(82.57,72.91) 84.24,72.91 86.84,70.31 87.78,71.24 v1(88.29,71.24) ; 67.79,17.54 68.22,17.11 69.05,17.11 69.17,17.23
  Bottom w0.3: 30.38,50.09 30.34,50.12 ; 30.38,69.14 30.34,69.17 ; 30.38,88.19 30.34,88.22 ; 30.38,31.04 30.34,31.08 ; 30.38,11.99 30.34,12.02
